# Altium PCB node24.PcbDoc (part 1 of 10) (continued)
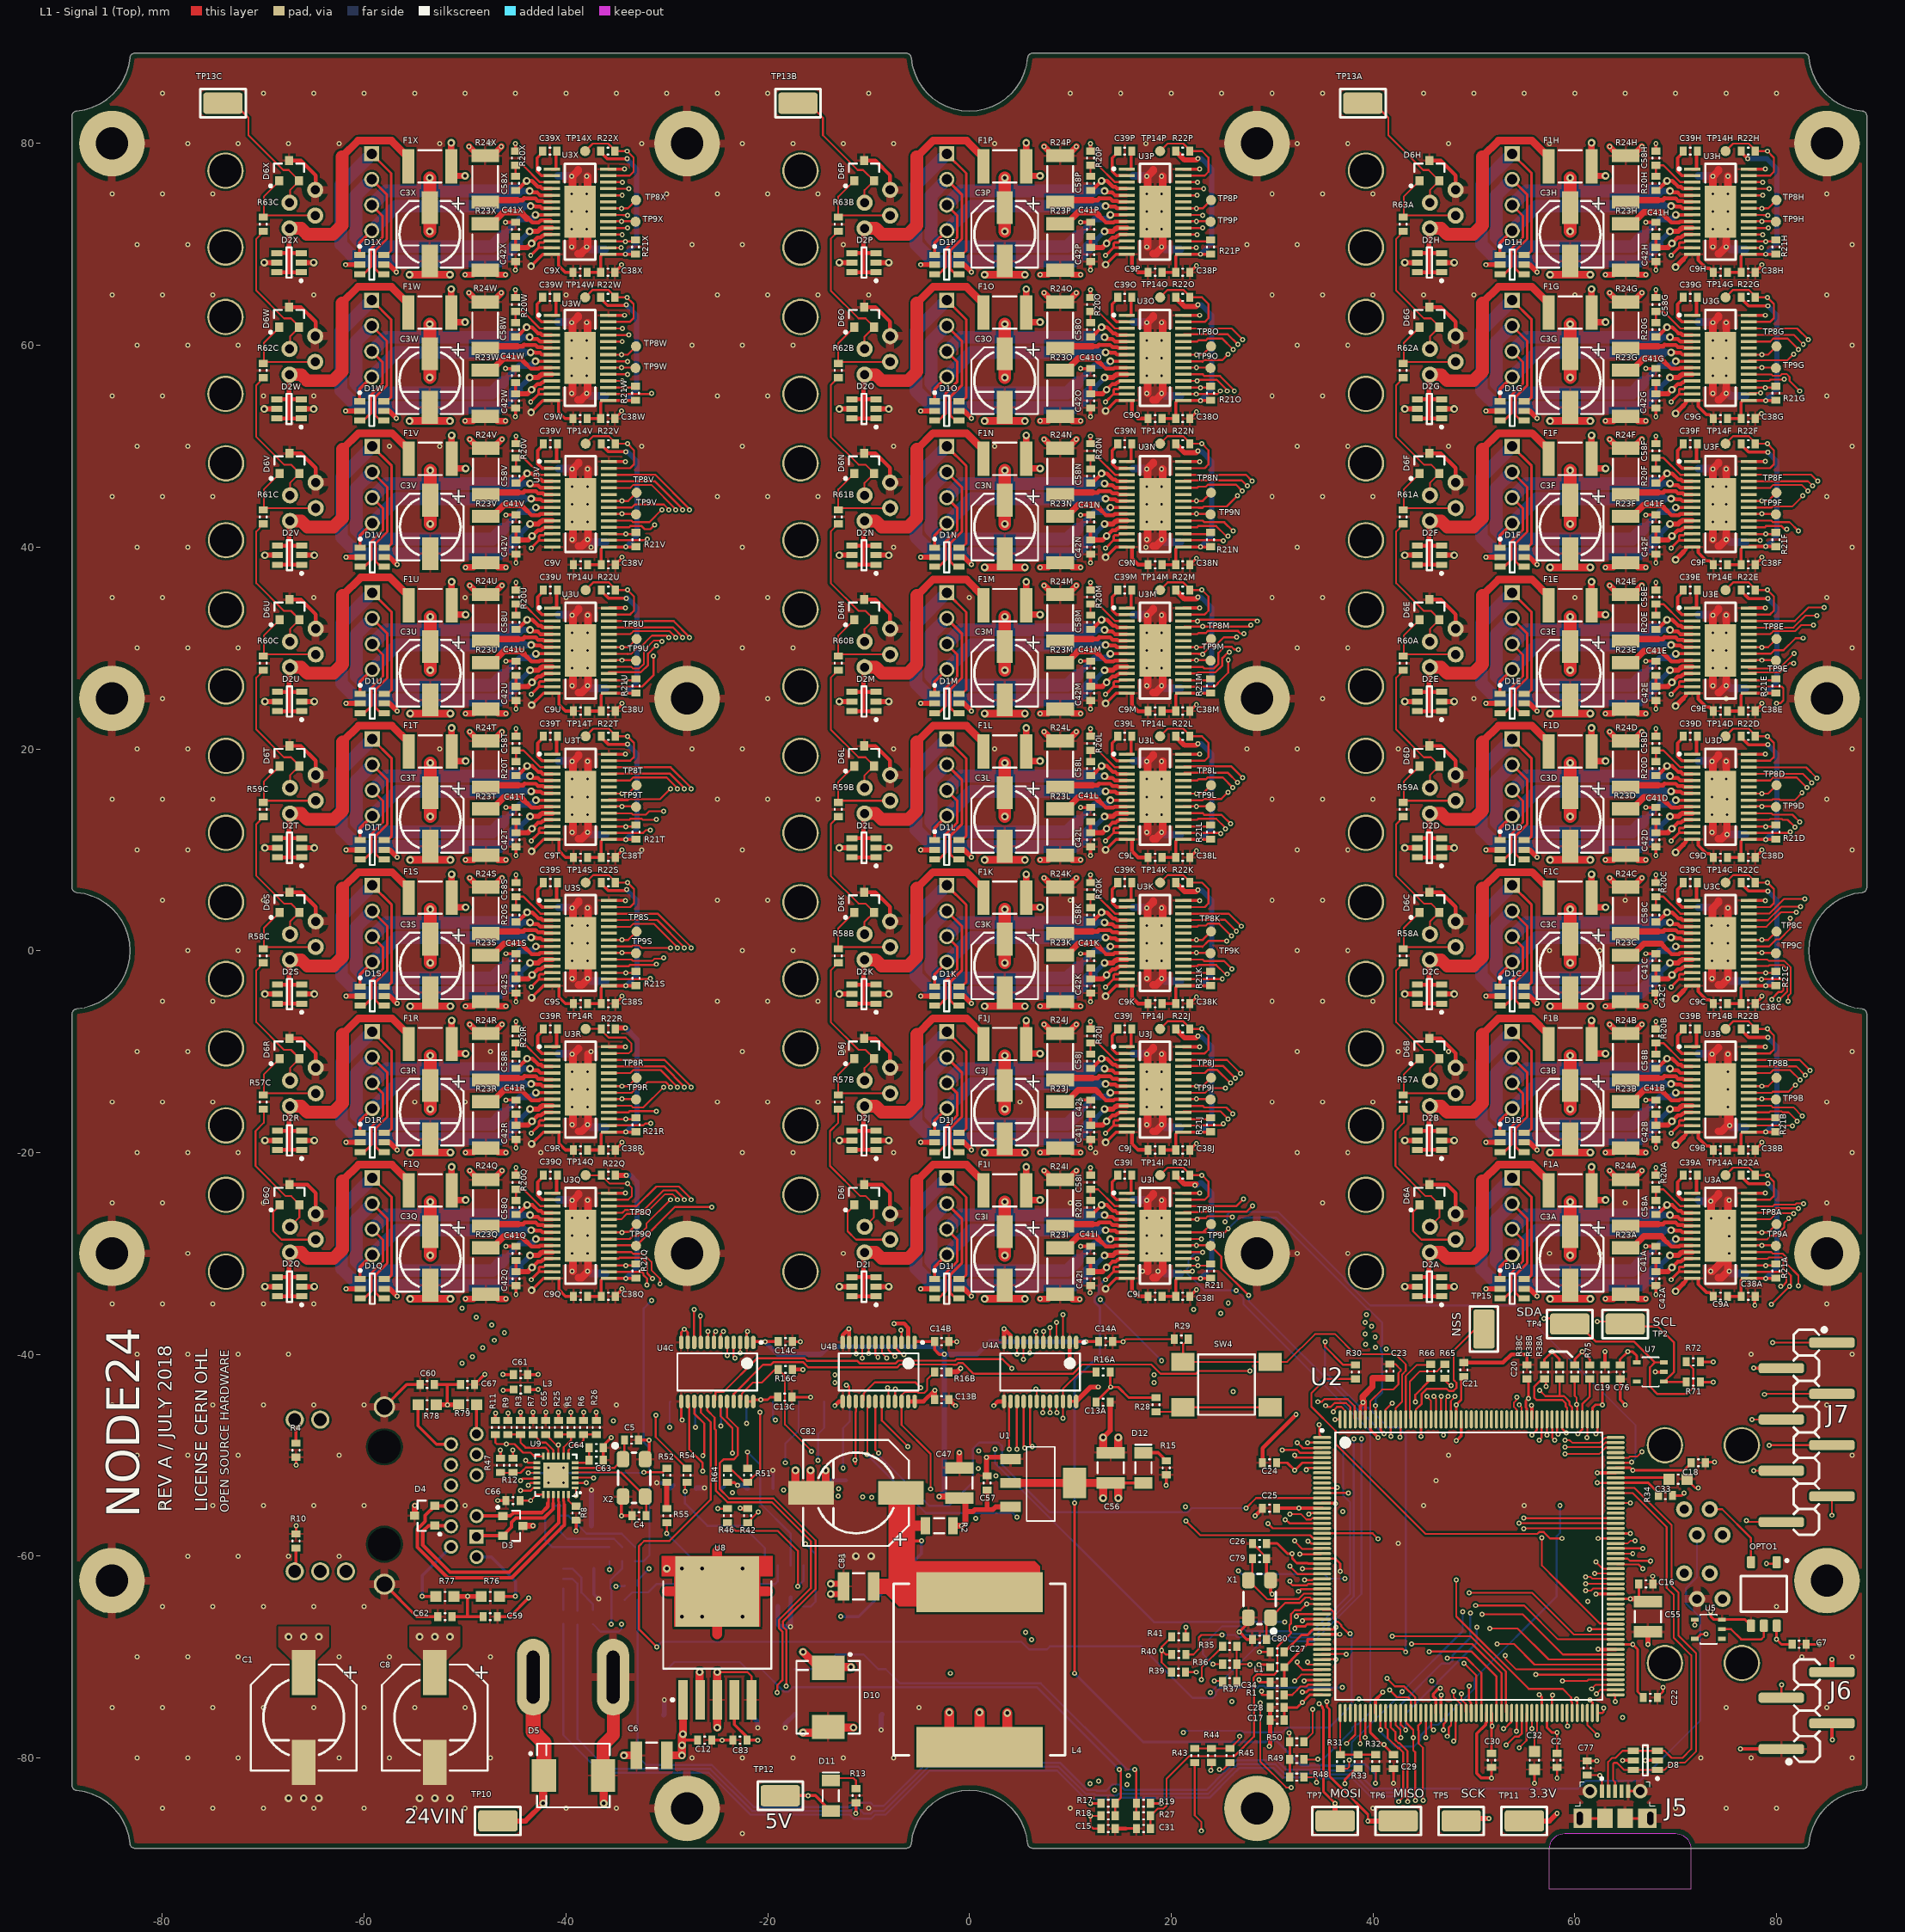
[diagram p0: L1 - Signal 1 (Top) view]
## Components (designator, comment, footprint, x,y, rotation, side; value= is the part's Value field where it differs from the comment)
C1 "220UF ALUM 10MM" CAPAE_D10_BH10MM3 -66,-76 r270 top locked
C2 "100nF" CAPC0603(1608)100_L 58.25,-80.25 r270 top
C3A "CAP_ALUM_100UF_35V_6MM3_SMT_865080545012" CAPAE_D6MM3 59.55,-30.5 r270 top (schematic designator C3)
C3B "CAP_ALUM_100UF_35V_6MM3_SMT_865080545012" CAPAE_D6MM3 59.55,-16 r270 top (schematic designator C3)
C3C "CAP_ALUM_100UF_35V_6MM3_SMT_865080545012" CAPAE_D6MM3 59.55,-1.5 r270 top (schematic designator C3)
C3D "CAP_ALUM_100UF_35V_6MM3_SMT_865080545012" CAPAE_D6MM3 59.55,13 r270 top (schematic designator C3)
C3E "CAP_ALUM_100UF_35V_6MM3_SMT_865080545012" CAPAE_D6MM3 59.55,27.5 r270 top (schematic designator C3)
C3F "CAP_ALUM_100UF_35V_6MM3_SMT_865080545012" CAPAE_D6MM3 59.55,42 r270 top (schematic designator C3)
C3G "CAP_ALUM_100UF_35V_6MM3_SMT_865080545012" CAPAE_D6MM3 59.55,56.5 r270 top (schematic designator C3)
C3H "CAP_ALUM_100UF_35V_6MM3_SMT_865080545012" CAPAE_D6MM3 59.55,71 r270 top (schematic designator C3)
C3I "CAP_ALUM_100UF_35V_6MM3_SMT_865080545012" CAPAE_D6MM3 3.5,-30.5 r270 top (schematic designator C3)
C3J "CAP_ALUM_100UF_35V_6MM3_SMT_865080545012" CAPAE_D6MM3 3.5,-16 r270 top (schematic designator C3)
C3K "CAP_ALUM_100UF_35V_6MM3_SMT_865080545012" CAPAE_D6MM3 3.5,-1.5 r270 top (schematic designator C3)
C3L "CAP_ALUM_100UF_35V_6MM3_SMT_865080545012" CAPAE_D6MM3 3.5,13 r270 top (schematic designator C3)
C3M "CAP_ALUM_100UF_35V_6MM3_SMT_865080545012" CAPAE_D6MM3 3.5,27.5 r270 top (schematic designator C3)
C3N "CAP_ALUM_100UF_35V_6MM3_SMT_865080545012" CAPAE_D6MM3 3.5,42 r270 top (schematic designator C3)
C3O "CAP_ALUM_100UF_35V_6MM3_SMT_865080545012" CAPAE_D6MM3 3.5,56.5 r270 top (schematic designator C3)
C3P "CAP_ALUM_100UF_35V_6MM3_SMT_865080545012" CAPAE_D6MM3 3.5,71 r270 top (schematic designator C3)
C3Q "CAP_ALUM_100UF_35V_6MM3_SMT_865080545012" CAPAE_D6MM3 -53.45,-30.5 r270 top (schematic designator C3)
C3R "CAP_ALUM_100UF_35V_6MM3_SMT_865080545012" CAPAE_D6MM3 -53.45,-16 r270 top (schematic designator C3)
C3S "CAP_ALUM_100UF_35V_6MM3_SMT_865080545012" CAPAE_D6MM3 -53.45,-1.5 r270 top (schematic designator C3)
C3T "CAP_ALUM_100UF_35V_6MM3_SMT_865080545012" CAPAE_D6MM3 -53.45,13 r270 top (schematic designator C3)
C3U "CAP_ALUM_100UF_35V_6MM3_SMT_865080545012" CAPAE_D6MM3 -53.45,27.5 r270 top (schematic designator C3)
C3V "CAP_ALUM_100UF_35V_6MM3_SMT_865080545012" CAPAE_D6MM3 -53.45,42 r270 top (schematic designator C3)
C3W "CAP_ALUM_100UF_35V_6MM3_SMT_865080545012" CAPAE_D6MM3 -53.5,56.5 r270 top (schematic designator C3)
C3X "CAP_ALUM_100UF_35V_6MM3_SMT_865080545012" CAPAE_D6MM3 -53.5,71 r270 top (schematic designator C3)
C4 "27pF 50V" CAPC0603(1608)100_L -32.75,-56 r180 top value=27pF
C5 "27pF 50V" CAPC0603(1608)100_L -33.5,-48.5 r0 top value=27pF
C6 "CAP_CER_10UF_50V_1210_GRJ32ER71H106KE11L" CAP1210 -31.5,-79.75 r180 top
C7 "100nF" CAPC0603(1608)100_L 82.25,-68.75 r0 top
C8 "220UF 50V ALUM" CAPAE_D10_BH10MM3 -53,-76 r270 top locked
C9A "100nF" CAPC0603(1608)100_L 74.45,-34.25 r0 top (schematic designator C9)
C9B "100nF" CAPC0603(1608)100_L 74.45,-19.75 r0 top (schematic designator C9)
C9C "100nF" CAPC0603(1608)100_L 74.45,-5.25 r0 top (schematic designator C9)
C9D "100nF" CAPC0603(1608)100_L 74.45,9.25 r0 top (schematic designator C9)
C9E "100nF" CAPC0603(1608)100_L 74.45,23.75 r0 top (schematic designator C9)
C9F "100nF" CAPC0603(1608)100_L 74.45,38.25 r0 top (schematic designator C9)
C9G "100nF" CAPC0603(1608)100_L 74.45,52.75 r0 top (schematic designator C9)
C9H "100nF" CAPC0603(1608)100_L 74.45,67.25 r0 top (schematic designator C9)
C9I "100nF" CAPC0603(1608)100_L 18.4,-34.25 r0 top (schematic designator C9)
C9J "100nF" CAPC0603(1608)100_L 18.4,-19.75 r0 top (schematic designator C9)
C9K "100nF" CAPC0603(1608)100_L 18.4,-5.25 r0 top (schematic designator C9)
C9L "100nF" CAPC0603(1608)100_L 18.4,9.25 r0 top (schematic designator C9)
C9M "100nF" CAPC0603(1608)100_L 18.4,23.75 r0 top (schematic designator C9)
C9N "100nF" CAPC0603(1608)100_L 18.4,38.25 r0 top (schematic designator C9)
C9O "100nF" CAPC0603(1608)100_L 18.4,52.75 r0 top (schematic designator C9)
C9P "100nF" CAPC0603(1608)100_L 18.4,67.25 r0 top (schematic designator C9)
C9Q "100nF" CAPC0603(1608)100_L -38.55,-34.25 r0 top (schematic designator C9)
C9R "100nF" CAPC0603(1608)100_L -38.55,-19.75 r0 top (schematic designator C9)
C9S "100nF" CAPC0603(1608)100_L -38.55,-5.25 r0 top (schematic designator C9)
C9T "100nF" CAPC0603(1608)100_L -38.55,9.25 r0 top (schematic designator C9)
C9U "100nF" CAPC0603(1608)100_L -38.55,23.75 r0 top (schematic designator C9)
C9V "100nF" CAPC0603(1608)100_L -38.55,38.25 r0 top (schematic designator C9)
C9W "100nF" CAPC0603(1608)100_L -38.6,52.75 r0 top (schematic designator C9)
C9X "100nF" CAPC0603(1608)100_L -38.6,67.25 r0 top (schematic designator C9)
C12 "100nF" CAPC0603(1608)100_L -26.25,-78.25 r0 top
C13A "100nF" CAPC0603(1608)100_L 13.25,-44.75 r0 top (schematic designator C13)
C13B "100nF" CAPC0603(1608)100_L -2.75,-44.5 r0 top (schematic designator C13)
C13C "100nF" CAPC0603(1608)100_L -18.3,-44.25 r0 top (schematic designator C13)
C14A "100nF" CAPC0603(1608)100_L 13.5,-38.75 r0 top (schematic designator C14)
C14B "100nF" CAPC0603(1608)100_L -2.75,-38.75 r0 top (schematic designator C14)
C14C "100nF" CAPC0603(1608)100_L -18.25,-38.75 r0 top (schematic designator C14)
C15 "100nF" CAPC0603(1608)100_L 13.75,-87 r180 top
C16 "100nF" CAPC0603(1608)100_L 67.05,-62.75 r0 top
C17 "100nF" CAPC0603(1608)100_L 30.5,-76.25 r180 top
C18 "100nF" CAPC0603(1608)100_L 72.25,-50.75 r0 top
C19 "100nF" CAPC0603(1608)100_L 63,-41.75 r90 top
C20 "100nF" CAPC0603(1608)100_L 55.25,-41.75 r90 top
C21 "100nF" CAPC0603(1608)100_L 49.022,-41.529 r90 top
C22 "100nF" CAPC0603(1608)100_L 67.5,-74 r0 top
C23 "100nF" CAPC0603(1608)100_L 41.689,-41.675 r90 top
C24 "100nF" CAPC0603(1608)100_L 29.75,-50.75 r180 top
C25 "100nF" CAPC0603(1608)100_L 29.75,-55.25 r180 top
C26 "100nF" CAPC0603(1608)100_L 28.75,-58.75 r180 top
C27 "100nF" CAPC0603(1608)100_L 30.5,-69.5 r180 top
C28 "100nF" CAPC0603(1608)100_L 30.5,-75 r180 top
C29 "100nF" CAPC0603(1608)100_L 42.036,-80.377 r270 top
C30 "100nF" CAPC0603(1608)100_L 51.75,-80.25 r270 top
C31 "100nF" CAPC0603(1608)100_L 17.25,-87 r0 top
C32 "2.2uF 6.3V" CAPC0603(1608)100_M 56,-80.25 r270 top value=2.2uF
C33 "2.2uF 6.3V" CAPC0603(1608)100_M 70.25,-52.375 r0 top value=2.2uF
C34 "100nF" CAPC0603(1608)100_L 30.5,-72.5 r180 top
C38A "1uF" CAPC0603(1608)100_L 77.2,-34.25 r180 top (schematic designator C38)
C38B "1uF" CAPC0603(1608)100_L 77.2,-19.75 r180 top (schematic designator C38)
C38C "1uF" CAPC0603(1608)100_L 77.2,-5.25 r180 top (schematic designator C38)
C38D "1uF" CAPC0603(1608)100_L 77.2,9.25 r180 top (schematic designator C38)
C38E "1uF" CAPC0603(1608)100_L 77.2,23.75 r180 top (schematic designator C38)
C38F "1uF" CAPC0603(1608)100_L 77.2,38.25 r180 top (schematic designator C38)
C38G "1uF" CAPC0603(1608)100_L 77.2,52.75 r180 top (schematic designator C38)
C38H "1uF" CAPC0603(1608)100_L 77.2,67.25 r180 top (schematic designator C38)
C38I "1uF" CAPC0603(1608)100_L 21.15,-34.25 r180 top (schematic designator C38)
C38J "1uF" CAPC0603(1608)100_L 21.15,-19.75 r180 top (schematic designator C38)
C38K "1uF" CAPC0603(1608)100_L 21.15,-5.25 r180 top (schematic designator C38)
C38L "1uF" CAPC0603(1608)100_L 21.15,9.25 r180 top (schematic designator C38)
C38M "1uF" CAPC0603(1608)100_L 21.15,23.75 r180 top (schematic designator C38)
C38N "1uF" CAPC0603(1608)100_L 21.15,38.25 r180 top (schematic designator C38)
C38O "1uF" CAPC0603(1608)100_L 21.15,52.75 r180 top (schematic designator C38)
C38P "1uF" CAPC0603(1608)100_L 21.15,67.25 r180 top (schematic designator C38)
C38Q "1uF" CAPC0603(1608)100_L -35.8,-34.25 r180 top (schematic designator C38)
C38R "1uF" CAPC0603(1608)100_L -35.8,-19.75 r180 top (schematic designator C38)
C38S "1uF" CAPC0603(1608)100_L -35.8,-5.25 r180 top (schematic designator C38)
C38T "1uF" CAPC0603(1608)100_L -35.8,9.25 r180 top (schematic designator C38)
C38U "1uF" CAPC0603(1608)100_L -35.8,23.75 r180 top (schematic designator C38)
C38V "1uF" CAPC0603(1608)100_L -35.8,38.25 r180 top (schematic designator C38)
C38W "1uF" CAPC0603(1608)100_L -35.85,52.75 r180 top (schematic designator C38)
C38X "1uF" CAPC0603(1608)100_L -35.85,67.25 r180 top (schematic designator C38)
C39A "10nF 50V" CAPC0603(1608)100_L 71.45,-22.25 r0 top value=10nF (schematic designator C39)
C39B "10nF 50V" CAPC0603(1608)100_L 71.45,-7.75 r0 top value=10nF (schematic designator C39)
C39C "10nF 50V" CAPC0603(1608)100_L 71.45,6.75 r0 top value=10nF (schematic designator C39)
C39D "10nF 50V" CAPC0603(1608)100_L 71.45,21.25 r0 top value=10nF (schematic designator C39)
C39E "10nF 50V" CAPC0603(1608)100_L 71.45,35.75 r0 top value=10nF (schematic designator C39)
C39F "10nF 50V" CAPC0603(1608)100_L 71.45,50.25 r0 top value=10nF (schematic designator C39)
C39G "10nF 50V" CAPC0603(1608)100_L 71.45,64.75 r0 top value=10nF (schematic designator C39)
C39H "10nF 50V" CAPC0603(1608)100_L 71.45,79.25 r0 top value=10nF (schematic designator C39)
C39I "10nF 50V" CAPC0603(1608)100_L 15.4,-22.25 r0 top value=10nF (schematic designator C39)
C39J "10nF 50V" CAPC0603(1608)100_L 15.4,-7.75 r0 top value=10nF (schematic designator C39)
C39K "10nF 50V" CAPC0603(1608)100_L 15.4,6.75 r0 top value=10nF (schematic designator C39)
C39L "10nF 50V" CAPC0603(1608)100_L 15.4,21.25 r0 top value=10nF (schematic designator C39)
C39M "10nF 50V" CAPC0603(1608)100_L 15.4,35.75 r0 top value=10nF (schematic designator C39)
C39N "10nF 50V" CAPC0603(1608)100_L 15.4,50.25 r0 top value=10nF (schematic designator C39)
C39O "10nF 50V" CAPC0603(1608)100_L 15.4,64.75 r0 top value=10nF (schematic designator C39)
C39P "10nF 50V" CAPC0603(1608)100_L 15.4,79.25 r0 top value=10nF (schematic designator C39)
C39Q "10nF 50V" CAPC0603(1608)100_L -41.55,-22.25 r0 top value=10nF (schematic designator C39)
C39R "10nF 50V" CAPC0603(1608)100_L -41.55,-7.75 r0 top value=10nF (schematic designator C39)
C39S "10nF 50V" CAPC0603(1608)100_L -41.55,6.75 r0 top value=10nF (schematic designator C39)
C39T "10nF 50V" CAPC0603(1608)100_L -41.55,21.25 r0 top value=10nF (schematic designator C39)
C39U "10nF 50V" CAPC0603(1608)100_L -41.55,35.75 r0 top value=10nF (schematic designator C39)
C39V "10nF 50V" CAPC0603(1608)100_L -41.55,50.25 r0 top value=10nF (schematic designator C39)
C39W "10nF 50V" CAPC0603(1608)100_L -41.6,64.75 r0 top value=10nF (schematic designator C39)
C39X "10nF 50V" CAPC0603(1608)100_L -41.6,79.25 r0 top value=10nF (schematic designator C39)
C41A "100nF" CAPC0603(1608)100_L 68.05,-30 r90 top (schematic designator C41)
C41B "100nF" CAPC0603(1608)100_L 68.05,-15.5 r90 top (schematic designator C41)
C41C "100nF" CAPC0603(1608)100_L 68.05,-1 r90 top (schematic designator C41)
C41D "100nF" CAPC0603(1608)100_L 68.05,13.5 r90 top (schematic designator C41)
C41E "100nF" CAPC0603(1608)100_L 68.05,28 r90 top (schematic designator C41)
C41F "100nF" CAPC0603(1608)100_L 68.05,42.5 r90 top (schematic designator C41)
C41G "100nF" CAPC0603(1608)100_L 68.05,57 r90 top (schematic designator C41)
C41H "100nF" CAPC0603(1608)100_L 68.05,71.5 r90 top (schematic designator C41)
C41I "100nF" CAPC0603(1608)100_L 12,-30 r90 top (schematic designator C41)
C41J "100nF" CAPC0603(1608)100_L 12,-15.5 r90 top (schematic designator C41)
C41K "100nF" CAPC0603(1608)100_L 12,-1 r90 top (schematic designator C41)
C41L "100nF" CAPC0603(1608)100_L 12,13.5 r90 top (schematic designator C41)
C41M "100nF" CAPC0603(1608)100_L 12,28 r90 top (schematic designator C41)
C41N "100nF" CAPC0603(1608)100_L 12,42.5 r90 top (schematic designator C41)
C41O "100nF" CAPC0603(1608)100_L 12,57 r90 top (schematic designator C41)
C41P "100nF" CAPC0603(1608)100_L 12,71.5 r90 top (schematic designator C41)
C41Q "100nF" CAPC0603(1608)100_L -44.95,-30 r90 top (schematic designator C41)
C41R "100nF" CAPC0603(1608)100_L -44.95,-15.5 r90 top (schematic designator C41)
C41S "100nF" CAPC0603(1608)100_L -44.95,-1 r90 top (schematic designator C41)
C41T "100nF" CAPC0603(1608)100_L -44.95,13.5 r90 top (schematic designator C41)
C41U "100nF" CAPC0603(1608)100_L -44.95,28 r90 top (schematic designator C41)
C41V "100nF" CAPC0603(1608)100_L -44.95,42.5 r90 top (schematic designator C41)
C41W "100nF" CAPC0603(1608)100_L -45,57 r90 top (schematic designator C41)
C41X "100nF" CAPC0603(1608)100_L -45,71.5 r90 top (schematic designator C41)
C42A "100nF" CAPC0603(1608)100_L 68.05,-32.5 r270 top (schematic designator C42)
C42B "100nF" CAPC0603(1608)100_L 68.05,-18 r270 top (schematic designator C42)
C42C "100nF" CAPC0603(1608)100_L 68.05,-3.5 r270 top (schematic designator C42)
C42D "100nF" CAPC0603(1608)100_L 68.05,11 r270 top (schematic designator C42)
C42E "100nF" CAPC0603(1608)100_L 68.05,25.5 r270 top (schematic designator C42)
C42F "100nF" CAPC0603(1608)100_L 68.05,40 r270 top (schematic designator C42)
C42G "100nF" CAPC0603(1608)100_L 68.05,54.5 r270 top (schematic designator C42)
C42H "100nF" CAPC0603(1608)100_L 68.05,69 r270 top (schematic designator C42)
C42I "100nF" CAPC0603(1608)100_L 12,-32.5 r270 top (schematic designator C42)
C42J "100nF" CAPC0603(1608)100_L 12,-18 r270 top (schematic designator C42)
C42K "100nF" CAPC0603(1608)100_L 12,-3.5 r270 top (schematic designator C42)
C42L "100nF" CAPC0603(1608)100_L 12,11 r270 top (schematic designator C42)
C42M "100nF" CAPC0603(1608)100_L 12,25.5 r270 top (schematic designator C42)
C42N "100nF" CAPC0603(1608)100_L 12,40 r270 top (schematic designator C42)
C42O "100nF" CAPC0603(1608)100_L 12,54.5 r270 top (schematic designator C42)
C42P "100nF" CAPC0603(1608)100_L 12,69 r270 top (schematic designator C42)
C42Q "100nF" CAPC0603(1608)100_L -44.95,-32.5 r270 top (schematic designator C42)
C42R "100nF" CAPC0603(1608)100_L -44.95,-18 r270 top (schematic designator C42)
C42S "100nF" CAPC0603(1608)100_L -44.95,-3.5 r270 top (schematic designator C42)
C42T "100nF" CAPC0603(1608)100_L -44.95,11 r270 top (schematic designator C42)
C42U "100nF" CAPC0603(1608)100_L -44.95,25.5 r270 top (schematic designator C42)
C42V "100nF" CAPC0603(1608)100_L -44.95,40 r270 top (schematic designator C42)
C42W "100nF" CAPC0603(1608)100_L -45,54.5 r270 top (schematic designator C42)
C42X "100nF" CAPC0603(1608)100_L -45,69 r270 top (schematic designator C42)
C47 "CAP_CER_10UF_1210_CL32B106KPINNNE" 1210C -1,-52.75 r90 top
C55 "CAP_CER_10UF_1210_CL32B106KPINNNE" 1210C 67.25,-66 r270 top
C56 "CAP_CER_10UF_1210_CL32B106KPINNNE" 1210C 14,-51.25 r90 top
C57 "100nF" CAPC0603(1608)100_L 1.75,-52.75 r90 top
C58A "100nF" CAPC0603(1608)100_L 68.05,-25.45 r90 top (schematic designator C58)
C58B "100nF" CAPC0603(1608)100_L 68.05,-10.95 r90 top (schematic designator C58)
C58C "100nF" CAPC0603(1608)100_L 68.05,3.55 r90 top (schematic designator C58)
C58D "100nF" CAPC0603(1608)100_L 68.05,18.05 r90 top (schematic designator C58)
C58E "100nF" CAPC0603(1608)100_L 68.05,32.55 r90 top (schematic designator C58)
C58F "100nF" CAPC0603(1608)100_L 68.05,47.05 r90 top (schematic designator C58)
C58G "100nF" CAPC0603(1608)100_L 68.05,61.55 r90 top (schematic designator C58)
C58H "100nF" CAPC0603(1608)100_L 68.05,76.05 r90 top (schematic designator C58)
C58I "100nF" CAPC0603(1608)100_L 12,-25.45 r90 top (schematic designator C58)
C58J "100nF" CAPC0603(1608)100_L 12,-10.95 r90 top (schematic designator C58)
C58K "100nF" CAPC0603(1608)100_L 12,3.55 r90 top (schematic designator C58)
C58L "100nF" CAPC0603(1608)100_L 12,18.05 r90 top (schematic designator C58)
C58M "100nF" CAPC0603(1608)100_L 12,32.55 r90 top (schematic designator C58)
C58N "100nF" CAPC0603(1608)100_L 12,47.05 r90 top (schematic designator C58)
C58O "100nF" CAPC0603(1608)100_L 12,61.55 r90 top (schematic designator C58)
C58P "100nF" CAPC0603(1608)100_L 12,76.05 r90 top (schematic designator C58)
C58Q "100nF" CAPC0603(1608)100_L -44.95,-25.45 r90 top (schematic designator C58)
C58R "100nF" CAPC0603(1608)100_L -44.95,-10.95 r90 top (schematic designator C58)
C58S "100nF" CAPC0603(1608)100_L -44.95,3.55 r90 top (schematic designator C58)
C58T "100nF" CAPC0603(1608)100_L -44.95,18.05 r90 top (schematic designator C58)
C58U "100nF" CAPC0603(1608)100_L -44.95,32.55 r90 top (schematic designator C58)
C58V "100nF" CAPC0603(1608)100_L -44.95,47.05 r90 top (schematic designator C58)
C58W "100nF" CAPC0603(1608)100_L -45,61.55 r90 top (schematic designator C58)
C58X "100nF" CAPC0603(1608)100_L -45,76.05 r90 top (schematic designator C58)
C59 "100nF 50V" CAPC0603(1608)100_L -47.5,-66 r180 top value=100nF
C60 "100nF 50V" CAPC0603(1608)100_L -53.75,-43 r0 top value=100nF
C61 "4.7uF 10V" CAPC0603(1608)100_L -44.5,-42 r0 top value=4.7uF
C62 "100nF 50V" CAPC0603(1608)100_L -52,-66 r0 top value=100nF
C63 "470pF 50V" CAPC0603(1608)100_L -37,-50.5 r180 top value=470pF
C64 "1uF 10V" CAPC0603(1608)100_L -37,-49.25 r180 top value=1uF
C65 "100nF" CAPC0603(1608)100_L -42,-47.25 r270 top
C66 "100nF" CAPC0603(1608)100_L -45.25,-54.5 r0 top
C67 "100nF" CAPC0603(1608)100_L -49.75,-43 r180 top
C76 "100nF" CAPC0603(1608)100_L 64.5,-41.75 r270 top
C77 "100nF" CAPC0603(1608)100_L 61.25,-81 r90 top
C79 "27pF 50V" CAPC0603(1608)100_L 28.75,-60.25 r0 top value=27pF
C80 "27pF 50V" CAPC0603(1608)100_L 28.75,-68.25 r0 top value=27pF
C81 "CAP_CER_10UF_1210_CL32B106KPINNNE" 1210C -11,-63 r180 top
C82 "CAP_ALUM_10V_1000UF_10MM_UWT1A102MNL1GS" CAPAE_D10_BH10MM3 -11.25,-53.75 r180 top locked
C83 "100nF" CAPC0603(1608)100_L -22.75,-78.25 r180 top
D1A "TVS_24V_QUAD_300W_SOT23-6_ESDA25SC6Y" SOT23-6L 53.8,-33.5 r0 top (schematic designator D1)
D1B "TVS_24V_QUAD_300W_SOT23-6_ESDA25SC6Y" SOT23-6L 53.8,-19 r0 top (schematic designator D1)
D1C "TVS_24V_QUAD_300W_SOT23-6_ESDA25SC6Y" SOT23-6L 53.8,-4.5 r0 top (schematic designator D1)
D1D "TVS_24V_QUAD_300W_SOT23-6_ESDA25SC6Y" SOT23-6L 53.8,10 r0 top (schematic designator D1)
D1E "TVS_24V_QUAD_300W_SOT23-6_ESDA25SC6Y" SOT23-6L 53.8,24.5 r0 top (schematic designator D1)
D1F "TVS_24V_QUAD_300W_SOT23-6_ESDA25SC6Y" SOT23-6L 53.8,39 r0 top (schematic designator D1)
D1G "TVS_24V_QUAD_300W_SOT23-6_ESDA25SC6Y" SOT23-6L 53.8,53.5 r0 top (schematic designator D1)
D1H "TVS_24V_QUAD_300W_SOT23-6_ESDA25SC6Y" SOT23-6L 53.8,68 r0 top (schematic designator D1)
D1I "TVS_24V_QUAD_300W_SOT23-6_ESDA25SC6Y" SOT23-6L -2.25,-33.5 r0 top (schematic designator D1)
D1J "TVS_24V_QUAD_300W_SOT23-6_ESDA25SC6Y" SOT23-6L -2.25,-19 r0 top (schematic designator D1)
D1K "TVS_24V_QUAD_300W_SOT23-6_ESDA25SC6Y" SOT23-6L -2.25,-4.5 r0 top (schematic designator D1)
D1L "TVS_24V_QUAD_300W_SOT23-6_ESDA25SC6Y" SOT23-6L -2.25,10 r0 top (schematic designator D1)
D1M "TVS_24V_QUAD_300W_SOT23-6_ESDA25SC6Y" SOT23-6L -2.25,24.5 r0 top (schematic designator D1)
D1N "TVS_24V_QUAD_300W_SOT23-6_ESDA25SC6Y" SOT23-6L -2.25,39 r0 top (schematic designator D1)
D1O "TVS_24V_QUAD_300W_SOT23-6_ESDA25SC6Y" SOT23-6L -2.25,53.5 r0 top (schematic designator D1)
D1P "TVS_24V_QUAD_300W_SOT23-6_ESDA25SC6Y" SOT23-6L -2.25,68 r0 top (schematic designator D1)
D1Q "TVS_24V_QUAD_300W_SOT23-6_ESDA25SC6Y" SOT23-6L -59.2,-33.5 r0 top (schematic designator D1)
D1R "TVS_24V_QUAD_300W_SOT23-6_ESDA25SC6Y" SOT23-6L -59.2,-19 r0 top (schematic designator D1)
D1S "TVS_24V_QUAD_300W_SOT23-6_ESDA25SC6Y" SOT23-6L -59.2,-4.5 r0 top (schematic designator D1)
D1T "TVS_24V_QUAD_300W_SOT23-6_ESDA25SC6Y" SOT23-6L -59.2,10 r0 top (schematic designator D1)
D1U "TVS_24V_QUAD_300W_SOT23-6_ESDA25SC6Y" SOT23-6L -59.2,24.5 r0 top (schematic designator D1)
D1V "TVS_24V_QUAD_300W_SOT23-6_ESDA25SC6Y" SOT23-6L -59.2,39 r0 top (schematic designator D1)
D1W "TVS_24V_QUAD_300W_SOT23-6_ESDA25SC6Y" SOT23-6L -59.25,53.5 r0 top (schematic designator D1)
D1X "TVS_24V_QUAD_300W_SOT23-6_ESDA25SC6Y" SOT23-6L -59.25,68 r0 top (schematic designator D1)
D2A "TVS_24V_QUAD_300W_SOT23-6_ESDA25SC6Y" SOT23-6L 45.6,-33.3 r180 top (schematic designator D2)
D2B "TVS_24V_QUAD_300W_SOT23-6_ESDA25SC6Y" SOT23-6L 45.6,-18.8 r180 top (schematic designator D2)
D2C "TVS_24V_QUAD_300W_SOT23-6_ESDA25SC6Y" SOT23-6L 45.6,-4.3 r180 top (schematic designator D2)
D2D "TVS_24V_QUAD_300W_SOT23-6_ESDA25SC6Y" SOT23-6L 45.6,10.2 r180 top (schematic designator D2)
D2E "TVS_24V_QUAD_300W_SOT23-6_ESDA25SC6Y" SOT23-6L 45.6,24.7 r180 top (schematic designator D2)
D2F "TVS_24V_QUAD_300W_SOT23-6_ESDA25SC6Y" SOT23-6L 45.6,39.2 r180 top (schematic designator D2)
D2G "TVS_24V_QUAD_300W_SOT23-6_ESDA25SC6Y" SOT23-6L 45.6,53.7 r180 top (schematic designator D2)
D2H "TVS_24V_QUAD_300W_SOT23-6_ESDA25SC6Y" SOT23-6L 45.6,68.2 r180 top (schematic designator D2)
D2I "TVS_24V_QUAD_300W_SOT23-6_ESDA25SC6Y" SOT23-6L -10.45,-33.3 r180 top (schematic designator D2)
D2J "TVS_24V_QUAD_300W_SOT23-6_ESDA25SC6Y" SOT23-6L -10.45,-18.8 r180 top (schematic designator D2)
D2K "TVS_24V_QUAD_300W_SOT23-6_ESDA25SC6Y" SOT23-6L -10.45,-4.3 r180 top (schematic designator D2)
D2L "TVS_24V_QUAD_300W_SOT23-6_ESDA25SC6Y" SOT23-6L -10.45,10.2 r180 top (schematic designator D2)
D2M "TVS_24V_QUAD_300W_SOT23-6_ESDA25SC6Y" SOT23-6L -10.45,24.7 r180 top (schematic designator D2)
D2N "TVS_24V_QUAD_300W_SOT23-6_ESDA25SC6Y" SOT23-6L -10.45,39.2 r180 top (schematic designator D2)
D2O "TVS_24V_QUAD_300W_SOT23-6_ESDA25SC6Y" SOT23-6L -10.45,53.7 r180 top (schematic designator D2)
D2P "TVS_24V_QUAD_300W_SOT23-6_ESDA25SC6Y" SOT23-6L -10.45,68.2 r180 top (schematic designator D2)
D2Q "TVS_24V_QUAD_300W_SOT23-6_ESDA25SC6Y" SOT23-6L -67.4,-33.3 r180 top (schematic designator D2)
D2R "TVS_24V_QUAD_300W_SOT23-6_ESDA25SC6Y" SOT23-6L -67.4,-18.8 r180 top (schematic designator D2)
D2S "TVS_24V_QUAD_300W_SOT23-6_ESDA25SC6Y" SOT23-6L -67.4,-4.3 r180 top (schematic designator D2)
D2T "TVS_24V_QUAD_300W_SOT23-6_ESDA25SC6Y" SOT23-6L -67.4,10.2 r180 top (schematic designator D2)
D2U "TVS_24V_QUAD_300W_SOT23-6_ESDA25SC6Y" SOT23-6L -67.4,24.7 r180 top (schematic designator D2)
D2V "TVS_24V_QUAD_300W_SOT23-6_ESDA25SC6Y" SOT23-6L -67.4,39.2 r180 top (schematic designator D2)
D2W "TVS_24V_QUAD_300W_SOT23-6_ESDA25SC6Y" SOT23-6L -67.45,53.7 r180 top (schematic designator D2)
D2X "TVS_24V_QUAD_300W_SOT23-6_ESDA25SC6Y" SOT23-6L -67.45,68.2 r180 top (schematic designator D2)
D3 "TVS_5V_DUAL_SOT23-3_SM05-7" SOT-23 -45.25,-57 r270 top
D4 "TVS_5V_DUAL_SOT23-3_SM05-7" SOT-23 -54,-56 r90 top
D5 "TVS_36V_1500W_SMC_SMCJ36A" DIODE_SMC -39.25,-81.75 r180 top
D6A "TVS_5V_DUAL_SOT23-3_SM05-7" SOT-23 45.6,-24.2 r0 top (schematic designator D6)
D6B "TVS_5V_DUAL_SOT23-3_SM05-7" SOT-23 45.6,-9.7 r0 top (schematic designator D6)
D6C "TVS_5V_DUAL_SOT23-3_SM05-7" SOT-23 45.6,4.8 r0 top (schematic designator D6)
D6D "TVS_5V_DUAL_SOT23-3_SM05-7" SOT-23 45.6,19.3 r0 top (schematic designator D6)
D6E "TVS_5V_DUAL_SOT23-3_SM05-7" SOT-23 45.6,33.8 r0 top (schematic designator D6)
D6F "TVS_5V_DUAL_SOT23-3_SM05-7" SOT-23 45.6,48.3 r0 top (schematic designator D6)
D6G "TVS_5V_DUAL_SOT23-3_SM05-7" SOT-23 45.6,62.8 r0 top (schematic designator D6)
D6H "TVS_5V_DUAL_SOT23-3_SM05-7" SOT-23 45.6,77.3 r0 top (schematic designator D6)
D6I "TVS_5V_DUAL_SOT23-3_SM05-7" SOT-23 -10.45,-24.2 r0 top (schematic designator D6)
D6J "TVS_5V_DUAL_SOT23-3_SM05-7" SOT-23 -10.45,-9.7 r0 top (schematic designator D6)
D6K "TVS_5V_DUAL_SOT23-3_SM05-7" SOT-23 -10.45,4.8 r0 top (schematic designator D6)
D6L "TVS_5V_DUAL_SOT23-3_SM05-7" SOT-23 -10.45,19.3 r0 top (schematic designator D6)
D6M "TVS_5V_DUAL_SOT23-3_SM05-7" SOT-23 -10.45,33.8 r0 top (schematic designator D6)
D6N "TVS_5V_DUAL_SOT23-3_SM05-7" SOT-23 -10.45,48.3 r0 top (schematic designator D6)
D6O "TVS_5V_DUAL_SOT23-3_SM05-7" SOT-23 -10.45,62.8 r0 top (schematic designator D6)
D6P "TVS_5V_DUAL_SOT23-3_SM05-7" SOT-23 -10.45,77.3 r0 top (schematic designator D6)
D6Q "TVS_5V_DUAL_SOT23-3_SM05-7" SOT-23 -67.4,-24.2 r0 top (schematic designator D6)
D6R "TVS_5V_DUAL_SOT23-3_SM05-7" SOT-23 -67.4,-9.7 r0 top (schematic designator D6)
D6S "TVS_5V_DUAL_SOT23-3_SM05-7" SOT-23 -67.4,4.8 r0 top (schematic designator D6)
D6T "TVS_5V_DUAL_SOT23-3_SM05-7" SOT-23 -67.4,19.3 r0 top (schematic designator D6)
D6U "TVS_5V_DUAL_SOT23-3_SM05-7" SOT-23 -67.4,33.8 r0 top (schematic designator D6)
D6V "TVS_5V_DUAL_SOT23-3_SM05-7" SOT-23 -67.4,48.3 r0 top (schematic designator D6)
D6W "TVS_5V_DUAL_SOT23-3_SM05-7" SOT-23 -67.45,62.8 r0 top (schematic designator D6)
D6X "TVS_5V_DUAL_SOT23-3_SM05-7" SOT-23 -67.45,77.3 r0 top (schematic designator D6)
D8 "TVS DIODE 5.25V 17V SOT23-6" SOT23-6L 67,-80.25 r180 top
D10 "DIODE_SCHOTTKY_40V_3A_SMC_DIO_B340-13-F" DIODE_SMC -14,-74 r90 top locked
D11 "LED_LITEON_GREEN_1206_LTST-C150GKT" LED_1206 -13.75,-83.75 r90 top
D12 "LED_LITEON_GREEN_1206_LTST-C150GKT" LED_1206 17.25,-51.25 r90 top
F1A "FUSE_BELFUSE_PTC_30V_500MA_1812_0ZCG0050AF2C" FUSE_1812 59.55,-23.75 r0 top (schematic designator F1)
F1B "FUSE_BELFUSE_PTC_30V_500MA_1812_0ZCG0050AF2C" FUSE_1812 59.55,-9.25 r0 top (schematic designator F1)
F1C "FUSE_BELFUSE_PTC_30V_500MA_1812_0ZCG0050AF2C" FUSE_1812 59.55,5.25 r0 top (schematic designator F1)
F1D "FUSE_BELFUSE_PTC_30V_500MA_1812_0ZCG0050AF2C" FUSE_1812 59.55,19.75 r0 top (schematic designator F1)
F1E "FUSE_BELFUSE_PTC_30V_500MA_1812_0ZCG0050AF2C" FUSE_1812 59.55,34.25 r0 top (schematic designator F1)
F1F "FUSE_BELFUSE_PTC_30V_500MA_1812_0ZCG0050AF2C" FUSE_1812 59.55,48.75 r0 top (schematic designator F1)
F1G "FUSE_BELFUSE_PTC_30V_500MA_1812_0ZCG0050AF2C" FUSE_1812 59.55,63.25 r0 top (schematic designator F1)
F1H "FUSE_BELFUSE_PTC_30V_500MA_1812_0ZCG0050AF2C" FUSE_1812 59.55,77.75 r0 top (schematic designator F1)
F1I "FUSE_BELFUSE_PTC_30V_500MA_1812_0ZCG0050AF2C" FUSE_1812 3.5,-23.75 r0 top (schematic designator F1)
F1J "FUSE_BELFUSE_PTC_30V_500MA_1812_0ZCG0050AF2C" FUSE_1812 3.5,-9.25 r0 top (schematic designator F1)
F1K "FUSE_BELFUSE_PTC_30V_500MA_1812_0ZCG0050AF2C" FUSE_1812 3.5,5.25 r0 top (schematic designator F1)
F1L "FUSE_BELFUSE_PTC_30V_500MA_1812_0ZCG0050AF2C" FUSE_1812 3.5,19.75 r0 top (schematic designator F1)
F1M "FUSE_BELFUSE_PTC_30V_500MA_1812_0ZCG0050AF2C" FUSE_1812 3.5,34.25 r0 top (schematic designator F1)
F1N "FUSE_BELFUSE_PTC_30V_500MA_1812_0ZCG0050AF2C" FUSE_1812 3.5,48.75 r0 top (schematic designator F1)
F1O "FUSE_BELFUSE_PTC_30V_500MA_1812_0ZCG0050AF2C" FUSE_1812 3.5,63.25 r0 top (schematic designator F1)
F1P "FUSE_BELFUSE_PTC_30V_500MA_1812_0ZCG0050AF2C" FUSE_1812 3.5,77.75 r0 top (schematic designator F1)
F1Q "FUSE_BELFUSE_PTC_30V_500MA_1812_0ZCG0050AF2C" FUSE_1812 -53.45,-23.75 r0 top (schematic designator F1)
F1R "FUSE_BELFUSE_PTC_30V_500MA_1812_0ZCG0050AF2C" FUSE_1812 -53.45,-9.25 r0 top (schematic designator F1)
F1S "FUSE_BELFUSE_PTC_30V_500MA_1812_0ZCG0050AF2C" FUSE_1812 -53.45,5.25 r0 top (schematic designator F1)
F1T "FUSE_BELFUSE_PTC_30V_500MA_1812_0ZCG0050AF2C" FUSE_1812 -53.45,19.75 r0 top (schematic designator F1)
F1U "FUSE_BELFUSE_PTC_30V_500MA_1812_0ZCG0050AF2C" FUSE_1812 -53.45,34.25 r0 top (schematic designator F1)
F1V "FUSE_BELFUSE_PTC_30V_500MA_1812_0ZCG0050AF2C" FUSE_1812 -53.45,48.75 r0 top (schematic designator F1)
F1W "FUSE_BELFUSE_PTC_30V_500MA_1812_0ZCG0050AF2C" FUSE_1812 -53.5,63.25 r0 top (schematic designator F1)
F1X "FUSE_BELFUSE_PTC_30V_500MA_1812_0ZCG0050AF2C" FUSE_1812 -53.5,77.75 r0 top (schematic designator F1)
J1A "CONN_ASSMANN_JACK_MOD_4P4C_A-2014-3-4-N-T-R" CON_JACK_MOD_4P4C_ASSMANN_A-2014-3-4-N-T-R 39.3,-28 r270 bottom (schematic designator J1)
J1B "CONN_ASSMANN_JACK_MOD_4P4C_A-2014-3-4-N-T-R" CON_JACK_MOD_4P4C_ASSMANN_A-2014-3-4-N-T-R 39.3,-13.5 r270 bottom (schematic designator J1)
J1C "CONN_ASSMANN_JACK_MOD_4P4C_A-2014-3-4-N-T-R" CON_JACK_MOD_4P4C_ASSMANN_A-2014-3-4-N-T-R 39.3,1 r270 bottom (schematic designator J1)
J1D "CONN_ASSMANN_JACK_MOD_4P4C_A-2014-3-4-N-T-R" CON_JACK_MOD_4P4C_ASSMANN_A-2014-3-4-N-T-R 39.3,15.5 r270 bottom (schematic designator J1)
J1E "CONN_ASSMANN_JACK_MOD_4P4C_A-2014-3-4-N-T-R" CON_JACK_MOD_4P4C_ASSMANN_A-2014-3-4-N-T-R 39.3,30 r270 bottom (schematic designator J1)
J1F "CONN_ASSMANN_JACK_MOD_4P4C_A-2014-3-4-N-T-R" CON_JACK_MOD_4P4C_ASSMANN_A-2014-3-4-N-T-R 39.3,44.5 r270 bottom (schematic designator J1)
J1G "CONN_ASSMANN_JACK_MOD_4P4C_A-2014-3-4-N-T-R" CON_JACK_MOD_4P4C_ASSMANN_A-2014-3-4-N-T-R 39.3,59 r270 bottom (schematic designator J1)
J1H "CONN_ASSMANN_JACK_MOD_4P4C_A-2014-3-4-N-T-R" CON_JACK_MOD_4P4C_ASSMANN_A-2014-3-4-N-T-R 39.3,73.5 r270 bottom (schematic designator J1)
J1I "CONN_ASSMANN_JACK_MOD_4P4C_A-2014-3-4-N-T-R" CON_JACK_MOD_4P4C_ASSMANN_A-2014-3-4-N-T-R -16.75,-28 r270 bottom (schematic designator J1)
J1J "CONN_ASSMANN_JACK_MOD_4P4C_A-2014-3-4-N-T-R" CON_JACK_MOD_4P4C_ASSMANN_A-2014-3-4-N-T-R -16.75,-13.5 r270 bottom (schematic designator J1)
J1K "CONN_ASSMANN_JACK_MOD_4P4C_A-2014-3-4-N-T-R" CON_JACK_MOD_4P4C_ASSMANN_A-2014-3-4-N-T-R -16.75,1 r270 bottom (schematic designator J1)
J1L "CONN_ASSMANN_JACK_MOD_4P4C_A-2014-3-4-N-T-R" CON_JACK_MOD_4P4C_ASSMANN_A-2014-3-4-N-T-R -16.75,15.5 r270 bottom (schematic designator J1)
J1M "CONN_ASSMANN_JACK_MOD_4P4C_A-2014-3-4-N-T-R" CON_JACK_MOD_4P4C_ASSMANN_A-2014-3-4-N-T-R -16.75,30 r270 bottom (schematic designator J1)
J1N "CONN_ASSMANN_JACK_MOD_4P4C_A-2014-3-4-N-T-R" CON_JACK_MOD_4P4C_ASSMANN_A-2014-3-4-N-T-R -16.75,44.5 r270 bottom (schematic designator J1)
J1O "CONN_ASSMANN_JACK_MOD_4P4C_A-2014-3-4-N-T-R" CON_JACK_MOD_4P4C_ASSMANN_A-2014-3-4-N-T-R -16.75,59 r270 bottom (schematic designator J1)
J1P "CONN_ASSMANN_JACK_MOD_4P4C_A-2014-3-4-N-T-R" CON_JACK_MOD_4P4C_ASSMANN_A-2014-3-4-N-T-R -16.75,73.5 r270 bottom (schematic designator J1)
J1Q "CONN_ASSMANN_JACK_MOD_4P4C_A-2014-3-4-N-T-R" CON_JACK_MOD_4P4C_ASSMANN_A-2014-3-4-N-T-R -73.7,-28 r270 bottom (schematic designator J1)
J1R "CONN_ASSMANN_JACK_MOD_4P4C_A-2014-3-4-N-T-R" CON_JACK_MOD_4P4C_ASSMANN_A-2014-3-4-N-T-R -73.7,-13.5 r270 bottom (schematic designator J1)
J1S "CONN_ASSMANN_JACK_MOD_4P4C_A-2014-3-4-N-T-R" CON_JACK_MOD_4P4C_ASSMANN_A-2014-3-4-N-T-R -73.7,1 r270 bottom (schematic designator J1)
J1T "CONN_ASSMANN_JACK_MOD_4P4C_A-2014-3-4-N-T-R" CON_JACK_MOD_4P4C_ASSMANN_A-2014-3-4-N-T-R -73.7,15.5 r270 bottom (schematic designator J1)
J1U "CONN_ASSMANN_JACK_MOD_4P4C_A-2014-3-4-N-T-R" CON_JACK_MOD_4P4C_ASSMANN_A-2014-3-4-N-T-R -73.7,30 r270 bottom (schematic designator J1)
J1V "CONN_ASSMANN_JACK_MOD_4P4C_A-2014-3-4-N-T-R" CON_JACK_MOD_4P4C_ASSMANN_A-2014-3-4-N-T-R -73.7,44.5 r270 bottom (schematic designator J1)
J1W "CONN_ASSMANN_JACK_MOD_4P4C_A-2014-3-4-N-T-R" CON_JACK_MOD_4P4C_ASSMANN_A-2014-3-4-N-T-R -73.75,59 r270 bottom (schematic designator J1)
J1X "CONN_ASSMANN_JACK_MOD_4P4C_A-2014-3-4-N-T-R" CON_JACK_MOD_4P4C_ASSMANN_A-2014-3-4-N-T-R -73.75,73.5 r270 bottom (schematic designator J1)
J2 "CONN_HDR_2X5_V_M_SM_50MIL_SAMTEC_SHF-105-01-L-D-SM-K-TR" CONN_SAMTEC_HDR_50MIL_10POS_SHRD_SM_SHF-105-01-L-D-SM -19,-62.968 r180 bottom locked
J3A "CONN_HDR_1X4_2MM4_76384-404LF" HDR_1x4_2R54_V_M 53.8,-22.52 r270 bottom (schematic designator J3)
J3B "CONN_HDR_1X4_2MM4_76384-404LF" HDR_1x4_2R54_V_M 53.8,-8.02 r270 bottom (schematic designator J3)
J3C "CONN_HDR_1X4_2MM4_76384-404LF" HDR_1x4_2R54_V_M 53.8,6.48 r270 bottom (schematic designator J3)
J3D "CONN_HDR_1X4_2MM4_76384-404LF" HDR_1x4_2R54_V_M 53.8,20.98 r270 bottom (schematic designator J3)
J3E "CONN_HDR_1X4_2MM4_76384-404LF" HDR_1x4_2R54_V_M 53.8,35.48 r270 bottom (schematic designator J3)
J3F "CONN_HDR_1X4_2MM4_76384-404LF" HDR_1x4_2R54_V_M 53.8,49.98 r270 bottom (schematic designator J3)
J3G "CONN_HDR_1X4_2MM4_76384-404LF" HDR_1x4_2R54_V_M 53.8,64.48 r270 bottom (schematic designator J3)
J3H "CONN_HDR_1X4_2MM4_76384-404LF" HDR_1x4_2R54_V_M 53.8,78.98 r270 bottom (schematic designator J3)
J3I "CONN_HDR_1X4_2MM4_76384-404LF" HDR_1x4_2R54_V_M -2.25,-22.52 r270 bottom (schematic designator J3)
J3J "CONN_HDR_1X4_2MM4_76384-404LF" HDR_1x4_2R54_V_M -2.25,-8.02 r270 bottom (schematic designator J3)
J3K "CONN_HDR_1X4_2MM4_76384-404LF" HDR_1x4_2R54_V_M -2.25,6.48 r270 bottom (schematic designator J3)
J3L "CONN_HDR_1X4_2MM4_76384-404LF" HDR_1x4_2R54_V_M -2.25,20.98 r270 bottom (schematic designator J3)
J3M "CONN_HDR_1X4_2MM4_76384-404LF" HDR_1x4_2R54_V_M -2.25,35.48 r270 bottom (schematic designator J3)
J3N "CONN_HDR_1X4_2MM4_76384-404LF" HDR_1x4_2R54_V_M -2.25,49.98 r270 bottom (schematic designator J3)
J3O "CONN_HDR_1X4_2MM4_76384-404LF" HDR_1x4_2R54_V_M -2.25,64.48 r270 bottom (schematic designator J3)
J3P "CONN_HDR_1X4_2MM4_76384-404LF" HDR_1x4_2R54_V_M -2.25,78.98 r270 bottom (schematic designator J3)
J3Q "CONN_HDR_1X4_2MM4_76384-404LF" HDR_1x4_2R54_V_M -59.2,-22.52 r270 bottom (schematic designator J3)
J3R "CONN_HDR_1X4_2MM4_76384-404LF" HDR_1x4_2R54_V_M -59.2,-8.02 r270 bottom (schematic designator J3)
J3S "CONN_HDR_1X4_2MM4_76384-404LF" HDR_1x4_2R54_V_M -59.2,6.48 r270 bottom (schematic designator J3)
J3T "CONN_HDR_1X4_2MM4_76384-404LF" HDR_1x4_2R54_V_M -59.2,20.98 r270 bottom (schematic designator J3)
J3U "CONN_HDR_1X4_2MM4_76384-404LF" HDR_1x4_2R54_V_M -59.2,35.48 r270 bottom (schematic designator J3)
J3V "CONN_HDR_1X4_2MM4_76384-404LF" HDR_1x4_2R54_V_M -59.2,49.98 r270 bottom (schematic designator J3)
J3W "CONN_HDR_1X4_2MM4_76384-404LF" HDR_1x4_2R54_V_M -59.25,64.48 r270 bottom (schematic designator J3)